# Altium PCB PCB1.pcbdoc (part 1 of 2) (continued)
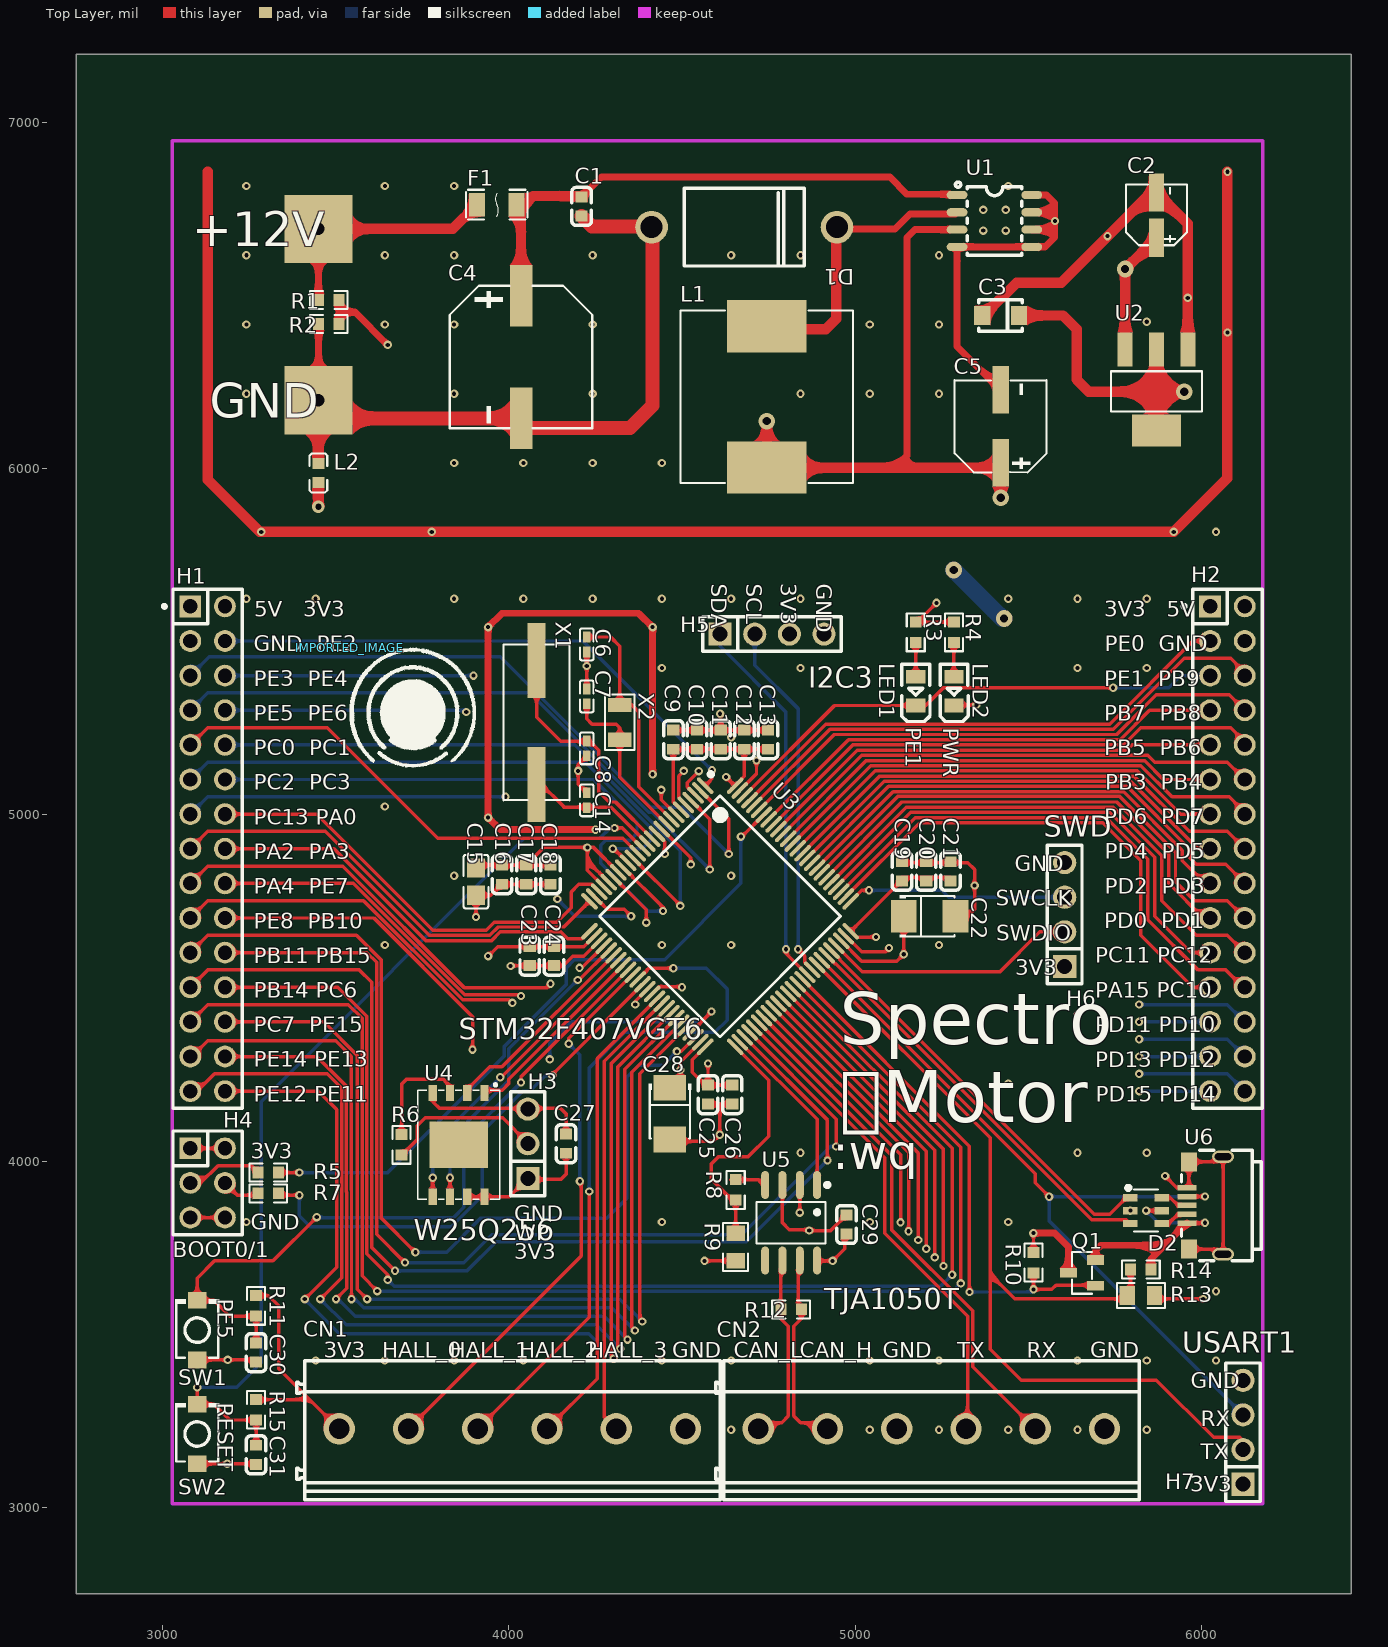
[diagram p0: Top Layer view]
## Footprints (in the part's own frame and the unit in brackets; to place one, negate y for a bottom-side part, rotate by r counter-clockwise, add the part's x,y. Pads: shape width x height; smd on the part's side, far side on the other; paste and mask are expansions set on the pad)
C0402 [mm]
  rect 0.79x0.54 smd: 1(-0.545,0) 2(0.545,0)
  silkscreen extent -1.17,-0.5 1.17,0.5
C0603 [mm]
  rect 0.8x0.9 smd: 1(-0.7,0) 2(0.7,0)
  silkscreen extent -1.39,-0.71 1.39,0.71
C0805 [mm]
  rect 1.41x1.35 smd: 1(-1,0) 2(1,0)
  silkscreen extent -1.96,-0.9 1.96,0.9
CAP-SMD_BD4.0-L4.3-W4.3-LS5.0-FD [mm]
  rect 2.8x1.1 smd: 1(-1.661,0) 2(1.661,0)
  silkscreen extent -2.22,-2.23 2.24,2.23
CAP-SMD_BD6.3-L6.6-W6.6-LS7.3-FD [mm]
  rect 3.5x1.2 smd: 1(-2.67,0) 2(2.67,0)
  silkscreen extent -3.38,-3.38 3.38,3.38
CAP-SMD_BD10.0-L10.3-W10.3-LS11.0-FD [mm]
  rect 4.5x1.65 smd: 1(-4.5,0) 2(4.5,0)
  silkscreen extent -5.23,-5.23 5.23,5.23
CAP-SMD_L3.2-W1.6 [mm]
  rect 1.2x1.4 smd: 1(-1.35,0) 2(1.35,0)
  silkscreen extent -1.6,-1.14 1.6,1.14
CAP-SMD_L3.5-W2.8-R-RD [mm]
  rect 1.9x2.376 smd: 1(1.899,0) 2(-1.899,0)
  silkscreen extent -1.83,-1.55 2.21,1.55
CONN-TH_6P-P5.08_DIBO_DB128V-5.08 [mm]
  round 2.3 hole 1.5: 1(-12.7,0) 2(-7.62,0) 3(-2.54,0) 4(2.54,0) 5(7.62,0) 6(12.7,0)
  silkscreen extent -15.8,-5.2 15.24,5
CRYSTAL-SMD_L3.2-W1.5-1 [mm]
  rect 1.05x1.7 smd: 1(-1.275,0) 2(1.275,0)
  silkscreen extent -2.03,-1.08 2.03,1.08
DO-201AD_BD5.3-L8.4-P12.50-D1.4-RD [mm]
  round 2.4 hole 1.6: 1(-6.8,0) 2(6.8,0)
  silkscreen extent -4.4,-2.85 4.4,2.85
F1206 [mm]
  rect 1.19x1.728 smd: 1(-1.445,0) 2(1.445,0)
  silkscreen extent -2.27,-1.09 2.27,1.09
HC-49S_L11.4-W4.8 [mm]
  rect 5.5x1.3 smd: 1(-4.553,0) 2(4.553,0)
  silkscreen extent -5.71,-2.41 5.71,2.41
HDR-TH_3P-P2.54-V-M [mm]
  rect 1.7x1.7 hole 1.1: 1(-2.54,0)
  round 1.7 hole 1.1: 2(0,0) 3(2.54,0)
  silkscreen extent -3.81,-1.25 3.81,1.25
HDR-TH_4P-P2.54-V-M [mm]
  rect 1.7x1.7 hole 1.1: 1(-3.81,0)
  round 1.7 hole 1.1: 2(-1.27,0) 3(1.27,0) 4(3.81,0)
  silkscreen extent -5.08,-1.27 5.08,1.27
HDR-TH_6P-P2.54-V-R2-C3-S2.54_A2541WV-2X3P [mm]
  rect 1.6x1.6 hole 1.05: 1(-2.54,-1.27)
  round 1.6 hole 1.05: 2(-2.54,1.27) 3(0,-1.27) 4(0,1.27) 5(2.54,-1.27) 6(2.54,1.27)
  silkscreen extent -3.81,-2.54 3.81,2.54
HDR-TH_30P-P2.54-V-M-R2-C15-S2.54-BL [mm]
  rect 1.6x1.6 hole 1.05: 1(-17.78,-1.27)
  round 1.6 hole 1.05: 2(-17.78,1.27) 3(-15.24,-1.27) 4(-15.24,1.27) 5(-12.7,-1.27) 6(-12.7,1.27) 7(-10.16,-1.27) 8(-10.16,1.27) 9(-7.62,-1.27) 10(-7.62,1.27) 11(-5.08,-1.27) 12(-5.08,1.27) 13(-2.54,-1.27) 14(-2.54,1.27) 15(0,-1.27) 16(0,1.27) 17(2.54,-1.27) 18(2.54,1.27) 19(5.08,-1.27) 20(5.08,1.27) 21(7.62,-1.27) 22(7.62,1.27) 23(10.16,-1.27) 24(10.16,1.27) 25(12.7,-1.27) 26(12.7,1.27) 27(15.24,-1.27) 28(15.24,1.27) 29(17.78,-1.27) 30(17.78,1.27)
  silkscreen extent -19.05,-3.3 19.05,2.54
IMPORTED_IMAGE [mil]
  silkscreen extent 0,-345 365,0
IND-SMD_L12.5-W12.5 [mm]
  rect 3.824x5.82 smd: 1(5.178,0) 2(-5.178,0)
  silkscreen extent -6.33,-6.33 6.33,6.33
L0603 [mm]
  rect 0.8x0.864 smd: 1(-0.7,0) 2(0.7,0)
  silkscreen extent -1.42,-0.65 1.42,0.65
LED0805-R-RD [mm]
  rect 1x1.4 smd: 1(1.05,0) 2(-1.05,0)
  silkscreen extent -2.22,-1.04 1.99,1.01
LQFP-100_L14.0-W14.0-P0.50-LS16.0-BL [mm]
  oval 0.3x1.6 smd: 1(-6,-7.55) 2(-5.5,-7.55) 3(-5,-7.55) 4(-4.5,-7.55) 5(-4,-7.55) 6(-3.5,-7.55) 7(-3,-7.55) 8(-2.5,-7.55) 9(-2,-7.55) 10(-1.5,-7.55) 11(-1,-7.55) 12(-0.5,-7.55) 13(0,-7.55) 14(0.5,-7.55) 15(1,-7.55) 16(1.5,-7.55) 17(2,-7.55) 18(2.5,-7.55) 19(3,-7.55) 20(3.5,-7.55) 21(4,-7.55) 22(4.5,-7.55) 23(5,-7.55) 24(5.5,-7.55) 25(6,-7.55) 51(6,7.55) 52(5.5,7.55) 53(5,7.55) 54(4.5,7.55) 55(4,7.55) 56(3.5,7.55) 57(3,7.55) 58(2.5,7.55) 59(2,7.55) 60(1.5,7.55) 61(1,7.55) 62(0.5,7.55) 63(0,7.55) 64(-0.5,7.55) 65(-1,7.55) 66(-1.5,7.55) 67(-2,7.55) 68(-2.5,7.55) 69(-3,7.55) 70(-3.5,7.55) 71(-4,7.55) 72(-4.5,7.55) 73(-5,7.55) 74(-5.5,7.55) 75(-6,7.55)
  oval 1.6x0.3 smd: 26(7.55,-6) 27(7.55,-5.5) 28(7.55,-5) 29(7.55,-4.5) 30(7.55,-4) 31(7.55,-3.5) 32(7.55,-3) 33(7.55,-2.5) 34(7.55,-2) 35(7.55,-1.5) 36(7.55,-1) 37(7.55,-0.5) 38(7.55,0) 39(7.55,0.5) 40(7.55,1) 41(7.55,1.5) 42(7.55,2) 43(7.55,2.5) 44(7.55,3) 45(7.55,3.5) 46(7.55,4) 47(7.55,4.5) 48(7.55,5) 49(7.55,5.5) 50(7.55,6) 76(-7.55,6) 77(-7.55,5.5) 78(-7.55,5) 79(-7.55,4.5) 80(-7.55,4) 81(-7.55,3.5) 82(-7.55,3) 83(-7.55,2.5) 84(-7.55,2) 85(-7.55,1.5) 86(-7.55,1) 87(-7.55,0.5) 88(-7.55,0) 89(-7.55,-0.5) 90(-7.55,-1) 91(-7.55,-1.5) 92(-7.55,-2) 93(-7.55,-2.5) 94(-7.55,-3) 95(-7.55,-3.5) 96(-7.55,-4) 97(-7.55,-4.5) 98(-7.55,-5) 99(-7.55,-5.5) 100(-7.55,-6)
  silkscreen extent -7.03,-8 6.25,6.25
MICRO-USB-SMD_HOOYA_USB-111HJ-B-CU [mm]
  rect 0.4x1.4 smd: 1(-1.3,1.33) 2(-0.65,1.33) 3(0,1.33) 4(0.65,1.33) 5(1.3,1.33)
  rect 1.4x1.2 smd: 6(3.2,1.17) 7(-3.2,1.17)
  oval 0.9x1.6 hole 0.5 slot 1.2 at 90 deg: 8(-3.575,-1.33) 9(3.575,-1.33)
  silkscreen extent -4.05,-4.14 4.05,1.72
R0603 [mil]
  rect 31.75x34.02 smd: 1(-29.66,0) 2(29.66,0)
  silkscreen extent -55,-26 55,26
R0805 [mm]
  rect 1.133x1.377 smd: 1(-1,0) 2(1,0)
  silkscreen extent -1.76,-0.92 1.76,0.92
SOIC-8_L4.9-W3.9-P1.27-LS6.0-BL [mm]
  oval 0.588x2.045 smd: 1(-1.905,-2.772) 2(-0.635,-2.772) 3(0.635,-2.772) 4(1.905,-2.772) 5(1.905,2.772) 6(0.635,2.772) 7(-0.635,2.772) 8(-1.905,2.772)
  silkscreen extent -2.8,-2.92 2.53,1.52
SOIC-8_L4.9-W3.9-P1.27-LS6.0-TR [mm]
  oval 0.6x1.52 smd: 1(1.905,2.74) 2(0.635,2.74) 3(-0.635,2.74) 4(-1.905,2.74) 5(-1.905,-2.74) 6(-0.635,-2.74) 7(0.635,-2.74) 8(1.905,-2.74)
  silkscreen extent -2.5,-2 2.86,2.86
SOT-23-3_L2.9-W1.3-P1.90-LS2.4-BR [mm]
  rect 1.25x0.7 smd: 1(1,-0.95) 2(1,0.95) 3(-1,0)
  silkscreen extent -0.73,-1.53 0.73,1.53
SOT-23-6_L2.9-W1.6-P0.95-LS2.8-BL [mil]
  rect 20.95x42.2 smd: 1(-37.4,-45.24) 2(0,-45.24) 3(37.4,-45.24) 4(37.4,45.24) 5(0,45.24) 6(-37.4,45.24)
  silkscreen extent -72,-57 61,35
SOT-223-3_L6.5-W3.4-P2.30-LS7.0-BR [mm]
  rect 2.5x1.1 smd: 1(2.97,-2.3) 2(2.97,0) 3(2.97,2.3)
  rect 2.34x3.6 smd: 4(-2.97,0)
  silkscreen extent -1.57,-3.33 1.37,3.33
SW-SMD_L3.9-W3.0-P4.45 [mm]
  rect 1.23x1.36 smd: 1(-2.185,0) 2(2.185,0)
  silkscreen extent -2.03,-1.62 2.25,1.62
WSON-8_L6.0-W8.0-P1.27-BL-EP [mm]
  rect 0.6x1.2 smd: 1(-1.905,-3.8) 2(-0.635,-3.8) 3(0.635,-3.8) 4(1.905,-3.8) 5(1.905,3.8) 6(0.635,3.8) 7(-0.635,3.8) 8(-1.905,3.8)
  rect 4.3x3.4 smd: 9(0,0)
  silkscreen extent -3,-4.5 3,4

## Free pads (board coordinates)
  rect 196.85x196.85 hole 36: 1(3450,6692.01) 2(3450,6197.01)

## Via types
v1: diameter 24.02, hole 12.01, Top Layer to Bottom Layer, 207 vias
v2: diameter 48, hole 24, Top Layer to Bottom Layer, 6 vias
v3: diameter 24, hole 12, Top Layer to Bottom Layer, 3 vias
v4: diameter 36, hole 18, Top Layer to Bottom Layer, 1 vias

## Nets (pads, with @x,y where several pads share a name; then routed paths per layer and width w, separated by ;. In a path a pad name is that pad's centre, name@x,y a point inside that pad or via, vN(x,y) a via of type N, cw(c..) or ccw(c..) an arc to the next point about the centre after c; other vN are vias at no path point)
$1N2033: LED2.1 R4.2 | length 99
  Top Layer w10: LED2.1@5285,5398.36 R4.2@5285,5497.35
$1N2050: D1.1 L1.2 U1.2 | length 856
  Top Layer w20: D1.1@4947.53,6697.07 ccw(c4952.59,6697.07) 4952.59,6692.01 5115,6692.01 5157.96,6734.97 5289.17,6734.97 U1.2@5294.17,6739.97
  Top Layer w30: L1.2@4745,6410.87 4745,6405.87 4748.86,6402.01 4915,6402.01 4945,6432.01 4945,6692.01 D1.1@4952.59,6692.01
$1N2742: R8.2 U5.4 | length 101.3
  Top Layer w10: R8.2@4640,3946.47 4719.69,3946.47 U5.4@4735,3931.16
$1N13999: H4.4 R7.1 | length 109.8
  Top Layer w10: H4.4@3180,3937.01 3215,3902.01 R7.1@3275.34,3902.01
$1N14000: H4.3 R5.2 | length 224.3
  Top Layer w10: H4.3@3080,3937.01 3110,3937.01 3160,3987.01 3255.34,3987.01 R5.2@3275.34,3967.01
$1N14115: LED1.1 R3.2 | length 99
  Top Layer w10: LED1.1@5175,5398.36 R3.2@5175,5497.35
$1N26921: C1.2 C4.1 F1.2 U1.1 | length 1597.3
  Top Layer w20: C1.2@4210,6784.57 4267.44,6842.01 5100,6842.01 5150,6792.01 5292.13,6792.01 U1.1@5294.17,6789.97
  Top Layer w30: C4.1@4035,6499.17 4035,6748.9 F1.2@4021.89,6762.01 4045,6762.01 4070,6787.01 4207.56,6787.01 C1.2@4210,6784.57
$1N27691: H3.2 R6.1 | length 464.8
  Top Layer w10: R6.1@3690,4017.33 3735,4062.33 3735,4102.01 3757.9,4124.91 3982.1,4124.91 4054.87,4052.14 H3.2@4054.87,4050.17
$1N27694: R6.2 U4.3 | length 320.3
  Top Layer w10: R6.2@3690,4076.65 3690,4222.01 3705,4237.01 3810,4237.01 3830,4217.01 U4.3@3830,4196.6
ADC1_IN1: R1.2 R2.2 U3.24 | length 2423
  Top Layer w10: U3.24@4246.7,4764.07 4283.77,4727.01 4332.99,4727.01 v1(4352.99,4707.01)
  Top Layer w20: R2.2@3509.66,6417.01 3509.66,6451.93 ; R1.2@3509.66,6482.01 3509.66,6451.93 ; v1(3650,6357.01) 3555.08,6451.93 3509.66,6451.93
  电源层 w20: v1(3650,6357.01) 3650,5227.01 4120,4757.01 v1(4140,4757.01)
  Bottom Layer w10: v1(4140,4757.01) 4190,4707.01 v1(4352.99,4707.01)
BOOT0: R5.1 U3.94 | length 1953.2
  Top Layer w10: R5.1@3334.66,3967.01 v1(3395,3967.01) ; v3(4670,4937.01) 4672.97,4937.01 U3.94@4736.66,5000.7
  Bottom Layer w10: v1(3395,3967.01) 3650,3967.01 3985.98,4302.99 3985.98,4330.21 4165,4509.22 4165,4557.01 4189.13,4581.14 4264.13,4581.14 4265,4582.01 4450,4582.01 4670,4802.01 v3(4670,4937.01)
BOOT1: R7.2 U3.37 | length 1534.6
  Top Layer w10: R7.2@3329.66,3907.01 3334.66,3902.01 3394.48,3902.01 v1(3395,3901.48) ; v1(4125,4247.01) 4125,4249.84 U3.37@4385.9,4510.74
  Bottom Layer w10: v1(3395,3901.48) 3395,3842.01 3426.71,3810.3 3833.11,3810.3 3916.97,3894.16 3922.85,3894.16 3922.85,4084.86 4040,4202.01 4060,4202.01 4105,4247.01 v1(4125,4247.01)
CAN2_RX: R8.1 R9.2 U3.51 | length 719.6
  Top Layer w10: R8.1@4640,3892.15 4585,3947.15 4585,3992.01 4605,4012.01 4690,4012.01 4750,4072.01 4750,4232.94 U3.51@4653.15,4329.79 ; R9.2@4655,3781.18 R8.1@4655,3877.15 ; R8.1@4655,3887.15 R8.1@4655,3892.15
CAN2_TX: U3.52 U5.1 | length 507
  Top Layer w10: U3.52@4667.06,4343.71 4890,4120.77 4890,3936.16 U5.1@4885,3931.16
CAN_H: CN2.2 R12.2 U5.7 | length 555.5
  Top Layer w10: R12.2@4835,3576.67 U5.7@4835,3702.86 ; R12.2@4844.66,3572.01 4844.66,3545 4822.99,3523.33 4822.99,3264.02 4842.07,3244.94 4902.07,3244.94 CN2.2@4920,3227.01
CAN_L: CN2.1 R12.1 U5.6 | length 545.5
  Top Layer w10: CN2.1@4720,3227.01 4737.93,3244.94 4787.93,3244.94 4807.01,3264.02 4807.01,3523.33 4785.34,3545 R12.1@4785.34,3572.01 ; R12.1@4785,3576.67 U5.6@4785,3702.86
CS_W25Q: U3.33 U4.1 | length 558.8
  Top Layer w10: U4.1@3932.13,4195.83 3941.23,4204.94 3980.94,4204.94 4000,4223.99 4000,4236.21 U3.33@4330.22,4566.43
D+: D2.6 U6.3 | length 81.7
  Top Layer w10: D2.6@5885.24,3894.41 5909.86,3894.41 5932.26,3872.01 U6.3@5957.64,3872.01
D-: D2.4 U6.2 | length 83.5
  Top Layer w10: D2.4@5885.24,3819.61 5905.45,3819.61 5932.26,3846.42 U6.2@5957.64,3846.42
GND: C2.2 C3.2 C6.1 C7.1 C8.1 C9.1 C10.1 C11.1 C12.1 C13.1 C14.1 C15.1 C16.1 C17.1 C18.1 C19.1 C20.1 C21.1 C22.2 C23.1 C24.1 C25.1 C26.1 C27.1 C28.2 C29.1 C30.1 C31.1 CN1.6 CN2.3 CN2.6 D2.2 H1.3 H2.4 H3.3 H4.5 H4.6 H5.4 H6.4 H7.4 L2.2 LED2.2 R9.1 R13.1 SW1.1 SW2.1 U2.1 U3.10 U3.20 U3.27 U3.74 U3.99 U4.4 U5.2 U5.8 U6.5 U6.6 U6.7 U6.8 U6.9 | length 12386
  Top Layer w10: H4.5@3080,3837.01 H4.6@3180,3837.01 ; SW2.1@3100,3125.99 v1(3186.51,3125.99) 3268.46,3125.99 C31.1@3270,3124.45 ; SW1.1@3100,3425.99 v1(3188.31,3425.99) 3263.46,3425.99 C30.1@3270,3419.45 ; U4.4@3782.13,4195.83 3782.13,4169.88 3800,4152.01 4053.03,4152.01 H3.3@4054.87,4150.17 4056.71,4152.01 4150,4152.01 4165,4137.01 C27.1@4165,4077.73 ; v1(3905,4705.13) C15.1@3905,4767.64 3948.19,4767.64 C16.1@3980,4799.45 C17.1@4050,4799.45 C18.1@4120,4799.45 ; v1(3940,4592.01) 3967.56,4619.57 C23.1@4060,4619.57 C24.1@4130,4619.57 4216.33,4619.57 U3.27@4246.7,4649.94 ; C14.1@4225,5063.47 4200,5088.47 v1(4200,5127.01) 4200,5145.55 C8.1@4225,5170.55 ; C7.1@4225,5363.47 v1(4225,5430) C6.1@4225,5470.55 ; U3.20@4302.38,4819.75 4396.64,4725.49 v1(4396.64,4688.65) ; U3.10@4441.58,4958.95 4525,4875.53 v1(4525,4857.01) ; C28.2@4465,4062.26 4470.25,4057.01 4590,4057.01 v1(4609.13,4076.14) 4609.13,4164.45 ; C9.1@4475,5244.57 C10.1@4543.33,5244.57 C11.1@4611.67,5244.57 ; v1(4565,3712.01) 4639.56,3712.01 R9.1@4640,3712.44 ; C25.1@4575,4164.45 4609.13,4164.45 ; v1(4610,5292.01) 4611.67,5290.34 C11.1@4611.67,5244.57 ; C26.1@4645,4164.45 4609.13,4164.45 ; U3.99@4667.06,5070.31 4715,5118.24 v1(4715,5157.01) ; C13.1@4748.33,5244.57 C12.1@4680,5244.57 C11.1@4611.67,5244.57 ; v1(4840,3851.16) U5.2@4840,3931.16 ; U5.8@4885,3712.86 4885.85,3712.01 v1(4935,3712.01) 4970,3747.01 C29.1@4970,3789.45 ; U3.74@4973.3,4649.94 5019.23,4604.02 5086.21,4604.02 v1(5097.55,4615.36) ; C19.1@5137.56,4862.01 5325,4862.01 5345,4842.01 v1(5345,4795.84) 5345,4727.01 5325,4707.01 C22.2@5289.75,4707.01 ; LED2.2@5285,5315.66 5286.35,5317.01 v1(5350,5317.01) ; R13.1@5864.37,3602.01 v1(6005,3602.01) ; v1(5895,3957.01) 5928.82,3923.19 U6.5@5957.64,3923.19 5963.94,3929.49 U6.6@5963.94,3998 6047.6,3998 U6.9@6062.36,4012.76 U6.8@6062.37,3731.26 6047.6,3746.03 U6.7@5963.94,3746.03
  Top Layer w20: v1(4250,4957.01) 3975,4957.01 v1(3940,4992.01) v1(3940,5542.01) 3980,5582.01 4375,5582.01 v1(4415,5542.01) v1(4415,5117.01)
  Top Layer w30: 3130.07,6857.01 3130.07,5967.01 3280.07,5817.01 v1(3285,5817.01) v1(3777.3,5817.01) v1(5920.07,5817.01) 6075,5971.94 v1(6075,6392.7) v1(6075,6857.01) ; L2.2@3449.81,5959.51 3449.81,5889.64 v4(3450,5889.45) ; C3.2@5366.85,6442.01 5371.85,6442.01 5466.85,6537.01 5594.62,6537.01 v1(5728.84,6671.22) 5855,6797.38 C2.2@5870,6797.38 5960.55,6706.83 v1(5960.55,6492.78) U2.1@5960.55,6343.93
  other v1: 4641.87,3224.1 5041.87,3224.1 5241.87,3224.1 5441.87,3224.1 5641.87,3224.1 5841.87,3224.1 3441.87,3424.1 3641.87,3424.1 3841.87,3424.1 4041.87,3424.1 4441.87,3424.1 4641.87,3424.1 5041.87,3424.1 5241.87,3424.1 5641.87,3424.1 5841.87,3424.1 6041.87,3424.1 6041.87,3624.1 3241.87,3824.1 4441.87,3824.1 5041.87,3824.1 5441.87,3824.1 5794.76,3857.01 4841.87,4024.1 5641.87,4024.1 5841.87,4024.1 5441.87,4224.1 5241.87,4424.1 5641.87,4424.1 3641.87,4624.1 4441.87,4624.1 4641.87,4624.1 5241.87,4624.1 3841.87,4824.1 4641.87,4824.1 3641.87,5024.1 4641.87,5224.1 4441.87,5424.1 4841.87,5424.1 5641.87,5424.1 5841.87,5424.1 3241.87,5624.1 3441.87,5624.1 3841.87,5624.1 4041.87,5624.1 4241.87,5624.1 4441.87,5624.1 4641.87,5624.1 4841.87,5624.1 5441.87,5624.1 5641.87,5624.1 5841.87,5624.1 6041.87,5817.01 5841.87,6424.1
HALL_0: CN1.2 U3.35 | length 1610.7
  Top Layer w10: CN1.2@3710,3227.01 4209.02,3726.02 4209.02,3937.99 v1(4205,3942.01) ; v1(4173.08,4338.93) 4173.08,4355.09 4356.58,4538.59 U3.35@4358.06,4538.59
  Bottom Layer w10: v1(4173.08,4338.93) 4205,4307.01 v1(4205,3942.01)
HALL_1: CN1.3 U3.36 | length 2016.8
  Top Layer w10: CN1.3@3910,3227.01 4232.01,3549.02 v1(4232.01,3912.01) ; U3.36@4371.98,4524.67 4404.32,4557.01 v1(4475,4557.01)
  Bottom Layer w10: v1(4232.01,3912.01) 4232.01,4269.02 4335,4372.01 4595,4372.01 4630,4407.01 4630,4497.01 4570,4557.01 v1(4475,4557.01)
HALL_2: CN1.4 U3.40 | length 1373.6
  Top Layer w10: CN1.4@4110,3227.01 4255,3372.01 4255,4296.33 U3.40@4427.66,4468.99
HALL_3: CN1.5 U3.41 | length 1311.6
  Top Layer w10: CN1.5@4310,3227.01 4275,3262.01 4275,4288.48 U3.41@4441.58,4455.07
I2C3_SCL: H5.2 U3.67 | length 1038.2
  Top Layer w10: v1(4835,4612.01) 4854.8,4592.21 4854.8,4573.57 U3.67@4875.86,4552.51
  Bottom Layer w10: H5.2@4710,5522.01 4710,5432.01 4835,5307.01 v1(4835,4612.01)
I2C3_SDA: H5.1 U3.66 | length 1087.8
  Top Layer w10: v1(4800,4612.01) 4800,4600.53 U3.66@4861.94,4538.59
  Bottom Layer w10: H5.1@4610,5522.01 4610,5487.01 4800,5297.01 v1(4800,4612.01)
KEY_1: C30.2 R11.1 SW1.2 U3.34 | length 2068.6
  Top Layer w10: C30.2@3270,3474.57 R11.1@3270,3552.35 3194.12,3552.35 3148.44,3598.03 SW1.2@3100,3598.03 3100,3662.01 3150,3712.01 3318.72,3712.01 v1(3445,3838.29) ; v1(4035,4227.01) 4035,4243.36 U3.34@4344.14,4552.51
  Bottom Layer w10: v1(3445,3838.29) 3446.28,3837.01 3840,3837.01 3870,3867.01 3870,4062.01 v1(4035,4227.01)
OSC32_IN: C6.2 U3.8 X2.1 | length 688.5
  Top Layer w10: C6.2@4225,5513.47 4293.54,5513.47 4320,5487.01 X2.1@4319.99,5317.2 4354.8,5317.2 4375,5297.01 4375,5081.21 U3.8@4469.42,4986.79
OSC32_OUT: C7.2 U3.9 X2.2 | length 484.2
  Top Layer w10: C7.2@4225,5320.55 4225,5277.01 4240,5262.01 4310,5262.01 4320,5252.01 X2.2@4319.99,5216.81 4319.99,5108.37 U3.9@4455.5,4972.87
OSC_IN: C8.2 U3.12 X1.2 | length 715.7
  Top Layer w10: X1.2@4080,5446.26 4080,5282.01 4150,5212.01 4223.54,5212.01 C8.2@4225,5213.47 ; C8.2@4225,5208.47 4228.54,5212.01 4235,5212.01 4260,5187.01 4260,5067.01 4290,5037.01 4307.83,5037.01 U3.12@4413.74,4931.1
OSC_OUT: C14.2 U3.13 X1.1 | length 390.5
  Top Layer w10: X1.1@4077.88,5087.01 X1.1@4092.12,5087.01 ; X1.1@4092.12,5089.88 4157.88,5024.13 ; 4158.23,5022.01 C14.2@4221.77,5022.01 ; C14.2@4224.27,5022.01 C14.2@4225,5022.01 ; C14.2@4224.27,5022.74 C14.2@4225,5022.01 ; C14.2@4225.73,5021.28 C14.2@4225,5022.01 ; 4295.73,5022.01 C14.2@4225,5022.01 ; 4296.46,5020.55 U3.13@4399.82,4917.19
OTG_FS_DM: D2.3 U3.70 | length 1198
  Top Layer w10: U3.70@4917.62,4594.27 4941.66,4570.22 4944.28,4570.22 5683.48,3831.02 5783.34,3831.02 D2.3@5794.76,3819.61
OTG_FS_DP: D2.1 U3.71 | length 1199.7
  Top Layer w10: U3.71@4931.54,4608.18 4955.58,4584.14 4955.58,4581.53 5690.1,3847.01 5735,3847.01 5782.4,3894.41 D2.1@5794.76,3894.41
OTG_FS_EN: Q1.1 R10.1 U3.65 | length 1523.7
  Top Layer w10: U3.65@4848.02,4524.67 5330,4042.69 v1(5330,3622.01) ; R10.1@5515,3677.35 v1(5515,3629.61) 5567.6,3629.61 5580,3642.01 5691.97,3642.01 Q1.1@5694.37,3639.61
  Bottom Layer w10: v1(5330,3622.01) 5507.4,3622.01 v1(5515,3629.61)
OTG_FS_ID/USART1_RX: H7.3 U3.69 U6.4 | length 2319.8
  Top Layer w10: U3.69@4903.7,4580.34 5520,3964.04 5520,3937.01 v1(5560,3897.01) ; U6.4@5957.64,3897.6 v1(6010,3897.6)
  Bottom Layer w10: v1(6010,3897.6) 5560.59,3897.6 v1(5560,3897.01) 5560,3827.01 H7.3@6120,3267.01
OTG_FS_VBUS/USART1_TX: H7.2 R13.2 R14.1 U3.68 | length 2686
  Top Layer w10: U3.68@4889.78,4566.43 4890.58,4566.43 5390,4067.01 5390,3673.31 ; R14.1@5795.34,3677.01 5795.34,3611.72 5785.63,3602.01 5461.3,3602.01 5390,3673.31 ; H7.2@6120,3167.01 6120,3192.01 6110,3202.01 6035,3202.01 5870,3367.01 5480,3367.01 5390,3457.01 5390,3673.31
PA0: H1.14 U3.23 | length 1309.2
  Top Layer w10: H1.14@3180,5002.01 3445,5002.01 3780,4667.01 3935,4667.01 3958.03,4690.04 4138.03,4690.04 4180,4732.01 4180,4777.01 4202.05,4799.06 4239.56,4799.06 U3.23@4260.63,4777.99
PA2: H1.15 U3.25 | length 1338.4
  Top Layer w10: H1.15@3080,4902.01 3130,4952.01 3470,4952.01 3770,4652.01 3945,4652.01 3969.02,4676.02 4158.65,4676.02 U3.25@4232.79,4750.16
PA3: H1.16 U3.26 | length 1190.2
  Top Layer w10: H1.16@3180,4902.01 3495,4902.01 3760,4637.01 3950,4637.01 3975,4662.01 4150,4662.01 4170,4642.01 4210.93,4642.01 U3.26@4232.79,4663.86
PA4: H1.17 U3.29 | length 1411.6
  Top Layer w10: H1.17@3080,4802.01 3130,4852.01 3519.82,4852.01 3871.83,4500 4107.99,4500 v1(4120,4512.01) ; v3(4203.65,4558.15) 4210.59,4558.15 U3.29@4274.54,4622.11
  电源层 w20: v1(4120,4512.01) 4160,4552.01 4197.5,4552.01 v3(4203.65,4558.15)
PA15: H2.23 U3.77 | length 1462.6
  Top Layer w10: U3.77@4973.3,4764.07 5186.23,4977.01 5715,4977.01 5825,4867.01 5825,4652.01 5975,4502.01 H2.23@6025,4502.01
PB3: H2.11 U3.89 | length 1334.3
  Top Layer w10: U3.89@4806.26,4931.1 5031.18,5156.02 5835.98,5156.02 5890,5102.01 H2.11@6025,5102.01
PB4: H2.12 U3.90 | length 1455.7
  Top Layer w10: U3.90@4792.34,4945.03 5019.32,5172.01 5845,5172.01 5865,5152.01 6075,5152.01 H2.12@6125,5102.01
PB5: H2.9 U3.91 | length 1347.3
  Top Layer w10: U3.91@4778.42,4958.95 5006.48,5187.01 5785,5187.01 5800,5202.01 H2.9@6025,5202.01
PB6: H2.10 U3.92 | length 1502.7
  Top Layer w10: U3.92@4764.5,4972.87 4993.64,5202.01 5775,5202.01 5825,5252.01 6085,5252.01 6125,5212.01 H2.10@6125,5202.01
PB7: H2.7 U3.93 | length 1405
  Top Layer w10: U3.93@4750.58,4986.79 4980.8,5217.01 5765,5217.01 5850,5302.01 H2.7@6025,5302.01
PB8: H2.8 U3.95 | length 1558.6
  Top Layer w10: U3.95@4722.74,5014.63 4940.12,5232.01 5755,5232.01 5870,5347.01 6080,5347.01 H2.8@6125,5302.01
PB9: H2.6 U3.96 | length 1618.1
  Top Layer w10: U3.96@4708.83,5028.54 4927.29,5247.01 5745,5247.01 5950,5452.01 6085,5452.01 6125,5412.01 H2.6@6125,5402.01
PB10: H1.20 U3.47 | length 1799.4
  Top Layer w10: H1.20@3180,4702.01 3610.36,4702.01 3895,4417.37 v1(3895,4322.01) ; U3.47@4525.1,4371.55 4575,4421.45 4575,4422.01 v1(4585,4432.01)
  电源层 w20: v1(3895,4322.01) 3923.08,4293.93 v1(4118.08,4293.93)
  Bottom Layer w10: v1(4118.08,4293.93) 4118.08,4340.09 4180,4402.01 4555,4402.01 v1(4585,4432.01)
PB11: H1.21 U3.48 | length 2757.1
  Top Layer w10: H1.21@3080,4602.01 3130,4652.01 3559.82,4652.01 3632.05,4579.78 3632.05,3834.96 v1(3730,3737.01) ; v1(4485.11,4316.89) 4498.27,4316.89 U3.48@4539.01,4357.63
  Bottom Layer w10: v1(3730,3737.01) 3820,3737.01 3917.93,3834.94 4282.93,3834.94 4340,3892.01 4340,4242.01 4375,4277.01 4445.23,4277.01 v1(4485.11,4316.89)
PB14: H1.23 U3.53 | length 3255.7
  Top Layer w10: H1.23@3080,4502.01 3130,4552.01 3568.04,4552.01 3604.02,4516.04 3604.02,3750.42 v1(3671.21,3683.22) ; U3.53@4680.99,4357.63 4920,4118.62 v1(4920,4002.01)
  Bottom Layer w10: v1(3671.21,3683.22) 3879.14,3683.22 3962.93,3767.01 4685,3767.01 v1(4920,4002.01)
PB15: H1.22 U3.54 | length 3167.5
  Top Layer w10: H1.22@3180,4602.01 3590,4602.01 3618.03,4573.98 3618.03,3788.98 v1(3700,3707.01) ; U3.54@4694.9,4371.55 4945,4121.45 v1(4945,4042.01)
  Bottom Layer w10: v1(3700,3707.01) 3870,3707.01 3950,3787.01 4672.48,3787.01 4927.48,4042.01 v1(4945,4042.01)
PC0: H1.9 U3.15 | length 1462.9
  Top Layer w10: H1.9@3080,5202.01 3130,5252.01 3475,5252.01 3795,4932.01 4329.32,4932.01 U3.15@4371.98,4889.35
PC1: H1.10 U3.16 | length 1796.5
  Top Layer w10: U3.16@4358.06,4875.43 4495,4738.48 v1(4495,4737.01)
  Bottom Layer w10: H1.10@3180,5202.01 4190,5202.01 4495,4897.01 v1(4495,4737.01)
PC2: H1.11 U3.17 | length 1645.8
  Top Layer w10: v1(4300,4902.01) 4303.64,4902.01 U3.17@4344.14,4861.51
  Bottom Layer w10: H1.11@3080,5102.01 3130,5152.01 4220.18,5152.01 4410,4962.19 4410,4927.01 4385,4902.01 v1(4300,4902.01)
PC3: H1.12 U3.18 | length 1853.8
  Top Layer w10: U3.18@4330.22,4847.59 4445,4732.81 v1(4445,4722.01)
  Bottom Layer w10: H1.12@3180,5102.01 4245,5102.01 4370,4977.01 4370,4947.01 4350,4927.01 4280,4927.01 4265,4912.01 4265,4859.64 4402.63,4722.01 v1(4445,4722.01)
PC6: H1.24 U3.63 | length 3897.4
  Top Layer w10: H1.24@3180,4502.01 3505.79,4502.01 3590,4417.8 3590,3731.92 3650,3671.92 v1(3650,3657.01) ; U3.63@4820.18,4496.83 5280,4037.01 v1(5280,3672.01)
  Bottom Layer w10: v1(3650,3657.01) 3668.53,3638.48 5246.47,3638.48 v1(5280,3672.01)
PC7: H1.25 U3.64 | length 4092.2
  Top Layer w10: H1.25@3080,4402.01 3130,4452.01 3535.97,4452.01 3575.98,4411.99 3575.98,3668.48 v1(3620,3624.47) ; U3.64@4834.1,4510.74 5305,4039.84 v1(5305,3647.01)
  Bottom Layer w10: v1(3620,3624.47) 5282.46,3624.47 v1(5305,3647.01)
PC10: H2.24 U3.78 | length 1559.8
  Top Layer w10: U3.78@4959.37,4777.99 5173.39,4992.01 5725,4992.01 5845,4872.01 5845,4697.01 5990,4552.01 6070,4552.01 6120,4502.01 H2.24@6125,4502.01
PC11: H2.21 U3.79 | length 1436
  Top Layer w10: U3.79@4945.46,4791.91 5160.56,5007.01 5735,5007.01 5865,4877.01 5865,4707.01 5970,4602.01 H2.21@6025,4602.01
PC12: H2.22 U3.80 | length 1533.1
  Top Layer w10: U3.80@4931.54,4805.83 5147.71,5022.01 5745,5022.01 5885,4882.01 5885,4752.01 5985,4652.01 6075,4652.01 H2.22@6125,4602.01
PC13: H1.13 U3.7 | length 1478.2
  Top Layer w10: v1(4440,5072.01) 4440,5044.04 U3.7@4483.34,5000.7
  电源层 w20: v1(3990,5052.01) 4180,5052.01 4200,5072.01 v1(4440,5072.01)
  Bottom Layer w10: H1.13@3080,5002.01 3130,5052.01 v1(3990,5052.01)
PD0: H2.19 U3.81 | length 1385.9
  Top Layer w10: U3.81@4917.62,4819.75 5134.88,5037.01 5755,5037.01 5905,4887.01 5905,4802.01 6005,4702.01 H2.19@6025,4702.01
PD1: H2.20 U3.82 | length 1507.3
  Top Layer w10: U3.82@4903.7,4833.67 5123.02,5052.99 5764.02,5052.99 5925,4892.01 5925,4807.01 5980,4752.01 6075,4752.01 H2.20@6125,4702.01
PD2: H2.17 U3.83 | length 1352.9
  Top Layer w10: U3.83@4889.78,4847.59 5109.2,5067.01 5775,5067.01 5945,4897.01 5945,4867.87 6010.86,4802.01 H2.17@6025,4802.01
PD3: H2.18 U3.84 | length 1471.1
  Top Layer w10: U3.84@4875.86,4861.51 5096.36,5082.01 5785,5082.01 5965,4902.01 5965,4877.01 5985,4857.01 6070,4857.01 H2.18@6125,4802.01
PD4: H2.15 U3.85 | length 1335.6
  Top Layer w10: U3.85@4861.94,4875.43 5083.52,5097.01 5795,5097.01 5990,4902.01 H2.15@6025,4902.01
PD5: H2.16 U3.86 | length 1456.2
  Top Layer w10: U3.86@4848.02,4889.35 5070.68,5112.01 5805,5112.01 5965,4952.01 6075,4952.01 H2.16@6125,4902.01
PD6: H2.13 U3.87 | length 1335.4
  Top Layer w10: U3.87@4834.1,4903.27 5057.85,5127.01 5815,5127.01 5940,5002.01 H2.13@6025,5002.01
PD7: H2.14 U3.88 | length 1458.9
  Top Layer w10: U3.88@4820.18,4917.19 5045,5142.01 5825,5142.01 5915,5052.01 6080,5052.01 6125,5007.01 H2.14@6125,5002.01
PD10: H2.26 U3.57 | length 2028.7
  Top Layer w10: U3.57@4736.66,4413.31 5131.12,4018.86 v1(5131.12,3823.1)
  电源层 w20: v1(5131.12,3823.1) 5760.02,4452.01 v1(5820,4452.01)
  Bottom Layer w10: v1(5820,4452.01) 6075,4452.01 H2.26@6125,4402.01
PD11: H2.25 U3.58 | length 1918.2
  Top Layer w10: U3.58@4750.58,4427.23 5154.22,4023.59 v1(5154.22,3797.43)
  电源层 w20: v1(5154.22,3797.43) 5758.79,4402.01 v1(5820,4402.01)
  Bottom Layer w10: v1(5820,4402.01) H2.25@6025,4402.01
PD12: H2.28 U3.59 | length 2045.5
  Top Layer w10: U3.59@4764.5,4441.15 5182.21,4023.44 v1(5182.21,3772.29)
  电源层 w20: v1(5182.21,3772.29) 5761.93,4352.01 v1(5820,4352.01)
  Bottom Layer w10: v1(5820,4352.01) 6075,4352.01 H2.28@6125,4302.01
PD13: H2.27 U3.60 | length 1934.6
  Top Layer w10: U3.60@4778.42,4455.07 5205.2,4028.28 v1(5205.2,3746.94)
  电源层 w20: v1(5205.2,3746.94) 5760.27,4302.01 v1(5820,4302.01)
  Bottom Layer w10: v1(5820,4302.01) H2.27@6025,4302.01
PD14: H2.30 U3.61 | length 2063.5
  Top Layer w10: U3.61@4792.34,4468.99 5230,4031.33 v1(5230,3722.01)
  电源层 w20: v1(5230,3722.01) 5760,4252.01 v1(5820,4252.01)
  Bottom Layer w10: v1(5820,4252.01) 6075,4252.01 H2.30@6125,4202.01
PD15: H2.29 U3.62 | length 1950.9
  Top Layer w10: U3.62@4806.26,4482.9 5255,4034.16 v1(5255,3697.01)
  电源层 w20: v1(5255,3697.01) 5760,4202.01 v1(5820,4202.01)
  Bottom Layer w10: v1(5820,4202.01) H2.29@6025,4202.01
PE0: H2.3 U3.97 | length 1520.4
  Top Layer w10: U3.97@4694.9,5042.47 4914.44,5262.01 5735,5262.01 5975,5502.01 H2.3@6025,5502.01
PE1: H2.5 LED1.2 U3.98 | length 1487.2
  Top Layer w10: U3.98@4680.99,5056.38 4940.26,5315.66 LED1.2@5175,5315.66 5203.65,5315.66 5255,5367.01 v1(5745,5367.01)
  Bottom Layer w10: v1(5745,5367.01) 5905,5367.01 5940,5402.01 H2.5@6025,5402.01
PE2: H1.4 U3.1 | length 1613.6
  Top Layer w10: U3.1@4566.85,5084.22 4586.37,5103.74 v1(4586.37,5128.82)
  Bottom Layer w10: H1.4@3180,5502.01 4213.18,5502.01 v1(4586.37,5128.82)
PE3: H1.5 U3.2 | length 2031.2
  Top Layer w10: U3.2@4552.94,5070.31 4635,4988.24 v1(4635,4887.01)
  Bottom Layer w10: H1.5@3080,5402.01 3135,5457.01 3975,5457.01 4410,5022.01 4500,5022.01 v1(4635,4887.01)
PE4: H1.6 U3.3 | length 1576.1
  Top Layer w10: U3.3@4539.01,5056.38 4515,5080.4 4515,5092.89 v1(4548.32,5126.21)
  电源层 w20: v1(3897.99,5402.01) 4272.53,5402.01 v1(4548.32,5126.21)
  Bottom Layer w10: H1.6@3180,5402.01 v1(3897.99,5402.01)
PE5: H1.7 U3.4 | length 1955.2
  Top Layer w10: U3.4@4525.1,5042.47 4580,4987.56 v1(4580,4842.01)
  Bottom Layer w10: H1.7@3080,5302.01 3130,5352.01 4060.18,5352.01 4404.19,5007.99 4414.02,5007.99 v1(4580,4842.01)
PE6: H1.8 U3.5 | length 1510.9
  Top Layer w10: v1(4505,5127.01) 4490,5112.01 4490,5107.01 4490.11,5106.9 4490.11,5049.61 U3.5@4511.17,5028.54
  电源层 w20: v1(3877.01,5297.01) 4274.59,5297.01 4444.59,5127.01 v1(4505,5127.01)
  Bottom Layer w10: H1.8@3180,5302.01 3872.01,5302.01 v1(3877.01,5297.01)
PE7: H1.18 U3.38 | length 1389.2
  Top Layer w10: H1.18@3180,4802.01 3550,4802.01 3872.01,4480 4032.01,4480 v1(4035,4477.01) ; v1(4365,4452.01) 4365,4462.01 U3.38@4399.82,4496.83
  电源层 w20: v1(4035,4477.01) 4340,4477.01 v1(4365,4452.01)
PE8: H1.19 U3.39 | length 1706.3
  Top Layer w10: H1.19@3080,4702.01 3130,4752.01 3580.18,4752.01 3866.2,4465.98 4001.02,4465.98 v1(4010,4457.01) ; U3.39@4413.74,4482.9 4434.81,4503.97 4498.03,4503.97 v1(4500,4502.01)
  电源层 w20: v1(4010,4457.01) 4045,4422.01 4420,4422.01 v1(4500,4502.01)
PE11: H1.30 U3.42 | length 2975.4
  Top Layer w10: H1.30@3180,4202.01 3450,4202.01 3502.95,4149.06 3502.95,3694.05 v1(3410.38,3601.47) ; v1(4302.65,3429.65) 4295,3437.3 4295,4280.65 U3.42@4455.5,4441.15
  Bottom Layer w10: v1(3410.38,3601.47) 3509.85,3502.01 4230.29,3502.01 v1(4302.65,3429.65)
PE12: H1.29 U3.43 | length 3069.8
  Top Layer w10: H1.29@3080,4202.01 3100,4202.01 3150,4252.01 3475,4252.01 3516.97,4210.04 3516.97,3663.01 v1(3455.44,3601.47) ; v1(4321.36,3458.37) 4315,3464.73 4315,4272.81 U3.43@4469.42,4427.23
  Bottom Layer w10: v1(3455.44,3601.47) 3529.9,3527.01 4252.72,3527.01 v1(4321.36,3458.37)
PE13: H1.28 U3.44 | length 2896.5
  Top Layer w10: H1.28@3180,4302.01 3444.82,4302.01 3530.98,4215.84 3530.98,3911.2 3531.53,3910.66 3531.53,3632.51 v1(3500.49,3601.47) ; v1(4342.57,3484.58) 4335,3492.15 4335,4264.98 U3.44@4483.34,4413.31
  Bottom Layer w10: v1@3501.89,3601.47 3506.8,3601.47 3556.27,3552.01 4275.15,3552.01 v1(4342.57,3484.58)
PE14: H1.27 U3.45 | length 3014.1
  Top Layer w10: H1.27@3080,4302.01 3085,4302.01 3130,4347.01 3500,4347.01 3545,4302.01 3545,3917.01 3545.55,3916.46 v1(3545.55,3601.47) ; v1(4363.79,3510.79) 4355,3519.58 4355,4257.13 U3.45@4497.26,4399.39
  Bottom Layer w10: v1@3541.49,3601.47 3556.61,3601.47 3581.08,3577.01 4297.57,3577.01 v1(4363.79,3510.79)
PE15: H1.26 U3.46 | length 2865.1
  Top Layer w10: H1.26@3180,4402.01 3464.82,4402.01 3561.97,4304.86 3561.97,3630.11 v1(3590.6,3601.47) ; v1(4385,3537.01) 4377.99,3544.02 4377.99,4252.29 U3.46@4511.17,4385.47
  Bottom Layer w10: v1(3590.6,3601.47) 4320.53,3601.47 v1(4385,3537.01)
PGND: C1.1 C4.2 C5.2 D1.2 L2.1 pad.2 R2.1 U1.4 U1.5 U1.6 U1.7 U1.8 | length 3200.5
  Top Layer w10: U1.8@5509.91,6789.97 U1.8@5537.04,6789.97
  Top Layer w20: pad.2@3450,6197.01 3450.34,6197.35 R2.1@3450.34,6417.01 ; C5.2@5420,6227.13 5294.17,6352.96 U1.4@5294.17,6639.97 U1.5@5509.91,6639.97 5547.96,6639.97 5575,6667.01 5575,6692.53 ; U1.6@5509.91,6689.97 5572.45,6689.97 5575,6692.53 ; U1.7@5509.91,6739.97 5572.96,6739.97 5575,6742.01 ; U1.8@5537.04,6789.97 5552.04,6789.97 5575,6767.01 5575,6742.01 ; 5575,6692.53 5575,6712.93 v1(5577.04,6714.97) 5575,6717.01 5575,6742.01
  Top Layer w30: L2.1@3449.81,6014.62 pad.2@3449.81,6196.82
  Top Layer w40: pad.2@3450,6177.99 3483.15,6144.84 C4.2@4035,6144.84 4062.83,6117.01 4350,6117.01 4414.81,6181.82 4414.81,6667.01 4382.37,6699.45 4240,6699.45 C1.1@4210,6729.45
  other v1: 3841.87,6016.01 4041.87,6016.01 4241.87,6016.01 4441.87,6016.01 3241.87,6216.01 3841.87,6216.01 4241.87,6216.01 4841.87,6216.01 5041.87,6216.01 5241.87,6216.01 3241.87,6416.01 3641.87,6416.01 3841.87,6416.01 4241.87,6416.01 5041.87,6416.01 5241.87,6416.01 3241.87,6616.01 3641.87,6616.01 3841.87,6616.01 4241.87,6616.01 4641.87,6616.01 4841.87,6616.01 5241.87,6616.01 5370,6687.01 5435,6687.01 5370,6747.01 5434.81,6747.01 3241.87,6816.01 3641.87,6816.01 3841.87,6816.01 5441.87,6816.01
RESET: C31.2 R15.1 SW2.2 U3.14 | length 2731.6
  Top Layer w10: v1(3100,3346.47) SW2.2@3100,3298.03 3148.44,3298.03 3194.12,3252.35 R15.1@3270,3252.35 C31.2@3270,3179.57 ; v1(4305,4962.01) 4327.15,4962.01 U3.14@4385.9,4903.27
  Bottom Layer w10: v1(3100,3346.47) 3214.2,3346.47 3285,3417.27 3285,4172.01 4044.94,4931.95 ; 4045,4932.01 4261.91,4932.01 4291.91,4962.01 v1(4305,4962.01)
SPI1_MISO: U3.31 U4.2 | length 593.6
  Top Layer w10: U4.2@3882.13,4195.82 3882.13,4209.96 3944.17,4272.01 3980.12,4272.01 U3.31@4302.38,4594.27
SPI1_MOSI: U3.32 U4.5 | length 906.8
  Top Layer w10: U4.5@3780,3897.4 v1(3780,3952.01) ; v1(3975,4242.01) 3977.97,4242.01 U3.32@4316.3,4580.34
  Bottom Layer w10: v1(3780,3952.01) 3780,4047.01 v1(3975,4242.01)